# KiCad board tkl_keyboard.kicad_pcb (continued)
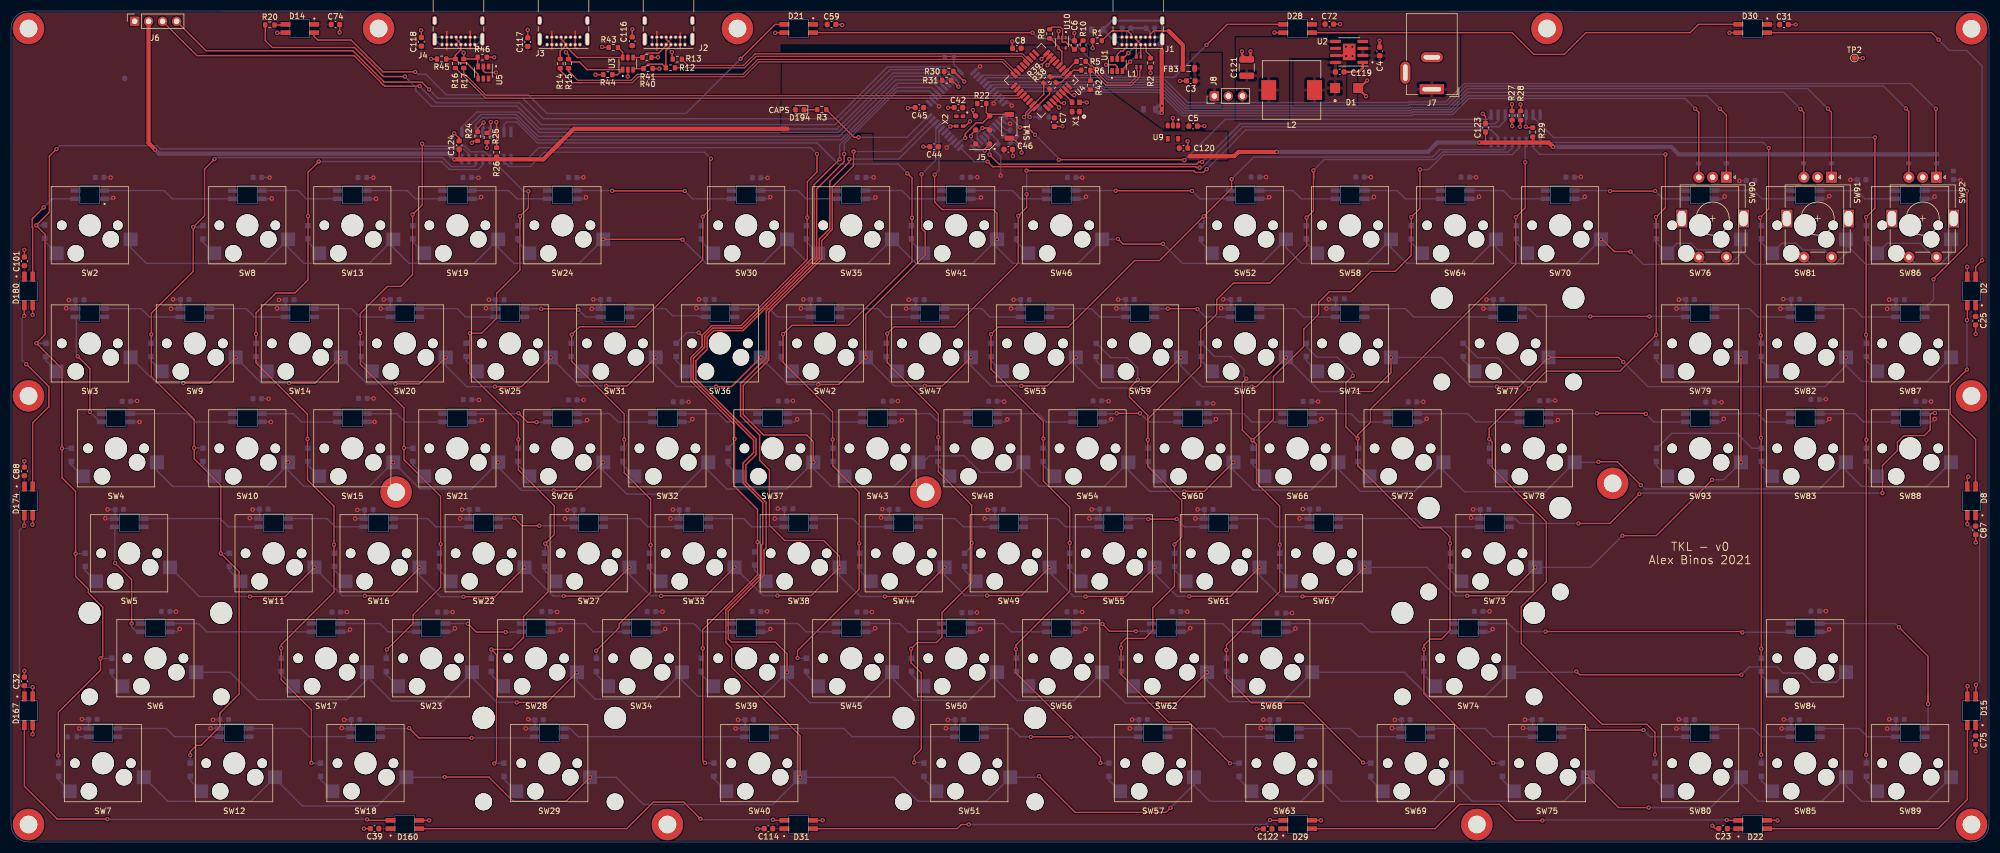
[diagram p0: board, top side]
## Routing (per net, layer and track width the routed paths; a pad name or vN(x,y) marks a point on that pad's centre or on a via; arc(x,y) is an arc through that point) (continued)
  Bottom w0.25: v1(283.92,30.96) 283.76,30.8 SW74.1 ; SW34.1 121.71,29.3 124.58,26.43 136.39,26.43 v1(140.76,30.8) 140.76,29.42 144.89,25.29 154.31,25.29 SW45.1 159.81,29.76 163.86,25.71 173.77,25.71 SW50.1 ; SW34.1 116.84,25.93 105.94,25.93 102.66,29.21 v1(102.66,30.8) ; SW34.1 122.24,31.32 ; v1(91.73,25.33) 91.69,25.37 88.1,25.37 83.61,29.86 SW23.1 78.41,25.6 69.02,25.6 64.56,30.06 SW17.1 64.56,29.49 60.89,25.83 44.72,25.83 39.75,30.8 SW6.1 ; SW68.1 230.69,25.47 220.82,25.47 216.96,29.34 v1(216.96,30.8) ; SW68.1 252.74,30.8 257.1,26.43 267.36,26.43 SW74.1 ; SW68.1 236.54,31.32 ; 272.26,31.32 SW74.1 ; 160.67,136.28 151.12,126.74 v1(151.12,124.87) ; SW50.1 179.39,31.32 ; SW50.1 178.86,29.3 182.48,25.68 192.79,25.68 SW56.1 ; 198.44,31.32 SW56.1 ; SW56.1 197.91,29.46 202.18,25.2 v1(207.91,25.2) ; SW84.1 331.02,28.97 326.67,28.97 324.99,30.65 321.46,30.65 320.33,31.78 315.3,31.78 v1(313.87,30.35)
  Bottom w0.254: U6.25 167.63,135.22 166.57,136.28 160.67,136.28
/Switches/ROW[5]: length 555
  Top w0.25: 130.71,35.14 130.71,31.71 143.14,19.28 v1(143.14,11.75) ; v1(78.64,11.78) 86.69,11.78 91.09,7.38 100.68,7.38 v1(105.04,11.75) ; v1(210.31,6.19) 209.5,5.38 193.01,5.38 v1(186.46,11.93) ; v1(297.08,6.24) 291.59,6.24 v1(285.88,11.96)
  Top w0.254: 130.71,35.14 129.65,36.2 129.65,42.09 136.14,48.59 136.14,53.91 136.35,54.11 136.35,61.61 132.78,65.18 132.78,68.76 134.69,70.67 134.69,72.93 123.77,83.85 123.77,87.75 125.81,89.79 125.81,91.79 127.28,93.26 132.6,93.26 136.85,97.51 136.86,97.51 145.67,106.32 145.67,119.3 v1(150.29,123.92)
  Bottom w0.25: SW69.1 257.84,7.38 241.26,7.38 238.39,10.25 SW63.1 ; SW69.1 262.73,12.28 ; SW69.1 262.2,10.25 265.07,7.38 281.65,7.38 SW75.1 ; v1(186.46,11.93) 186.28,11.75 SW51.1 ; v1(143.14,11.75) 138.19,6.8 114.76,6.8 109.81,11.75 v1(105.04,11.75) 105.57,12.28 ; v1(143.14,11.75) 143.67,12.28 ; v1(143.14,11.75) 160.17,11.75 164.54,7.38 176.88,7.38 SW51.1 ; SW63.1 234.03,7.38 217.44,7.38 214.58,10.25 SW57.1 ; SW63.1 238.92,12.28 ; v1(78.64,11.78) 78.61,11.75 SW18.1 66.5,6.55 52.83,6.55 47.89,11.49 SW12.1 43.53,7.38 28.44,7.38 SW7.1 ; v1(285.88,11.96) 286.02,11.82 SW75.1 ; v1(210.31,6.19) 214.58,10.46 SW57.1 ; SW51.1 181.77,12.28 ; SW80.1 313.8,10.5 316.92,7.38 328.48,7.38 SW85.1 332.85,10.2 335.66,7.38 347.53,7.38 SW89.1 352.43,12.28 ; SW80.1 314.32,12.28 ; SW80.1 308.29,6.24 v1(297.08,6.24) ; SW75.1 286.54,12.28 ; SW57.1 215.11,12.28 ; v1(150.29,123.92) 150.29,126.54 160.22,136.47 160.22,136.47 160.69,136.94
  Bottom w0.254: v1(150.29,123.92) 150.29,124.61 ; 160.69,136.94 166.99,136.94 167.67,136.27 167.74,136.27 U6.26
/uController/RGB_DOUT: length 139
  Top w0.254: R20.1 46.12,145.47 47.4,144.19 62.31,144.19 67.58,138.91 v1(71.45,138.91)
  Bottom w0.25: 73.43,136.39 73.43,136.94 v1(71.45,138.91) ; 159.98,139.56 149.82,129.41
  Bottom w0.254: 73.43,136.39 76.27,133.55 91.79,133.55 95.93,129.41 149.82,129.41 ; U6.30 168.98,139.56 159.98,139.56
/USB Downstream 0/USBD+: length 12.9
  Top w0.25: U3.3 113.02,140.36 R40.1 115.53,141.16 118.13,141.16 R12.1
  Top w0.254: J2.B6 118.84,145.72 119.69,144.87 J2.A6 119.69,144.56 118.78,143.66 R12.1
/USB Downstream 0/USBD-: length 11.7
  Top w0.25: 112.93,142.47 U3.4 114.51,142.38 R41.1 115.31,143.19 117.46,143.19 118.84,144.57 J2.A7
  Top w0.254: v1(119.86,143.35) 119.93,143.29 119.93,142.37
  Bottom w0.254: v1(119.86,143.35) 118.84,144.38 J2.A7 118.84,144.87 119.69,145.72 J2.B7
/USB Downstream 1/USBD+: length 18.4
  Top w0.25: J3.A6 100.64,144.45 102.71,142.38 U3.6 110.94,143.33 R43.1
  Top w0.254: R14.1 99.61,143.54 100.64,144.56 J3.A6 100.64,144.87 99.79,145.72 J3.B6
/USB Downstream 1/USBD-: length 17.7
  Top w0.25: v1(100.66,143.33) 101.13,142.85 R15.1 ; R44.1 110.02,139.26 U3.1 104.5,140.18 103.1,141.58
  Top w0.254: 103.1,141.58 101.63,141.58 R15.1
  Bottom w0.25: J3.A7 99.79,144.19 v1(100.66,143.33)
  Bottom w0.254: J3.A7 99.79,145.06 100.64,145.91 J3.B7
/USB Downstream 2/USBD+: length 12.4
  Top w0.25: R45.1 78.95,142.12 R16.1 81.32,141.39 82.66,141.39 84.72,139.33 U5.4
  Top w0.254: R16.1 80.59,142.79 81.59,143.78 J4.A6 81.59,144.87 80.74,145.72 J4.B6
/USB Downstream 2/USBD-: length 9.3
  Top w0.25: U5.3 84.64,140.83 R46.1 84.32,142.12 R17.1 82.12,143.21 v1(82.11,143.22)
  Bottom w0.254: v1(82.11,143.22) 80.74,144.59 J4.A7 80.74,144.87 81.59,145.72 J4.B7
/USB HUB/D1+: length 65.2
  Top w0.2: R12.2 133.06,140.51 135.14,142.59 183.32,142.59 184.19,141.72 U4.12
/USB HUB/D1-: length 64.8
  Top w0.2: U4.11 184.51,142.04 183.5,143.04 134.96,143.04 132.87,140.96 122.8,140.96 R13.2
/USB HUB/D2+: length 86.3
  Top w0.2: U4.16 181.93,139.46 179.81,141.58 135.65,141.58 132.96,138.88 113.78,138.88 112.69,137.79 103.43,137.79
  Top w0.254: R14.2 99.61,140.03 101.85,137.79 103.43,137.79
/USB HUB/D2-: length 86.2
  Top w0.2: 101.04,139.98 102.78,138.24 112.51,138.24 113.6,139.33 132.77,139.33 135.47,142.03 179.99,142.03 182.24,139.78 U4.15
  Top w0.254: 101.82,139.2 101.13,139.89 R15.2
/USB HUB/D3+: length 105.5
  Top w0.2: U4.20 183.37,135.53 182.84,135 86.06,135 R16.2
/USB HUB/D3-: length 104
  Top w0.2: R17.2 82.12,139.58 86.25,135.45 182.65,135.45 183.06,135.85 U4.19
/USB HUB/D4+: length 17.6
  Top w0.2: U4.24 185.64,133.27 184.48,132.11 184.48,131.87 v1(184.78,131.57)
  Top w0.254: U4.24 188.39,135.77 R38.1
  Bottom w0.2: v1(184.78,131.57) 184.48,131.27 184.48,126.52 184.14,126.18 182.79,126.18 182.05,126.92 R18.2
  Bottom w0.25: R7.1 186.58,131.57 v1(184.78,131.57)
/USB HUB/D4-: length 18.9
  Top w0.2: U4.23 185.32,133.59 184.03,132.3 184.03,131.87 v1(183.73,131.57)
  Top w0.254: R39.1 187.31,135.72 185.92,134.32 185.81,134.32 U4.23
  Bottom w0.2: R19.2 182.37,127.24 182.97,126.63 183.96,126.63 184.03,126.71 184.03,131.27 v1(183.73,131.57)
  Bottom w0.25: R4.1 185.35,133.19 v1(183.73,131.57)
/USB HUB/USB_DOWNSTREAM_LOCAL_OUT+: length 2.5
  Bottom w0.254: U6.4 180.11,128.43 R18.1
/USB HUB/USB_DOWNSTREAM_LOCAL_OUT-: length 3.3
  Bottom w0.2: U6.3 179.12,130.3 179.41,130.01
  Bottom w0.254: R19.1 180.47,129.2 U6.3
/USB HUB/USB_UPSTREAM_IN+: length 5.5
  Top w0.254: R38.2 190.43,137.82 U4.1 192.69,140.08 R6.1
/USB HUB/USB_UPSTREAM_IN-: length 6
  Top w0.254: R39.2 190.37,138.89 U4.2 193.16,141.67 R5.1
/USB Upstream/CD+: length 9.9
  Top w0.25: 204.96,142.65 204.91,142.7 204.91,144.71 J1.A6 204.91,144.86 204.06,145.71 J1.B6
  Top w0.254: U1.3 201.61,140.22 v1(203,141.61)
  Bottom w0.254: v1(203,141.61) 204.91,143.52 J1.A6
/USB Upstream/CD-: length 7.4
  Top w0.25: J1.A7 204.11,144.66 204.11,142.7 204.08,142.66
  Top w0.254: v1(202.68,143.19) 201.63,142.13 U1.4
  Bottom w0.25: J1.A7 204.06,144.86 204.91,145.71 J1.B7
  Bottom w0.254: J1.A7 204.06,144.57 v1(202.68,143.19)
/USB Upstream/D+: length 14.5
  Top w0.2: L1.2 204.94,140.1 204.76,139.93 204.76,138.88 203.19,137.31 198.66,137.31 195.89,140.08 R6.2
  Top w0.25: R6.2 195.77,138.19 R42.1
/USB Upstream/D-: length 13.5
  Top w0.2: R5.2 195.75,140.85 196.17,140.85 196.47,140.56 196.47,140.14 198.85,137.76 203.01,137.76 204.31,139.07 204.31,139.93 204.14,140.1 L1.1
ENC_COL[0]: length 16
  Bottom w0.25: SW90.S2 309.82,107.48 305.91,107.48 304.72,108.66 302.2,108.66 SW76.2 298.45,108.76 D106.2
ENC_COL[1]: length 16
  Bottom w0.25: SW91.S2 328.87,107.48 324.96,107.48 323.77,108.66 321.25,108.66 SW81.2 317.5,108.76 D111.2
ENC_COL[2]: length 16
  Bottom w0.25: SW92.S2 348.83,106.15 346.31,108.66 340.3,108.66 SW86.2 336.55,108.76 D116.2
ENC_ROW: length 449.4
  Top w0.25: v1(107.42,109.38) 121.73,109.38 v1(121.79,109.32) ; v1(200.79,109.44) 201.71,108.52 208.91,108.52 v1(208.96,108.57) ; v1(288.4,109.38) 288.61,109.38 290.83,107.16 v1(293.75,107.16) ; v1(167.53,121.12) 167.53,116.16 168.91,114.78 178.18,114.78 178.86,114.1 v1(178.86,109.38)
  Top w0.254: 167.55,121.13 v1(167.53,121.12) 167.51,121.12
  Bottom w0.25: v1(288.4,109.38) 284.03,105.01 272.21,105.01 269.35,107.88 SW64.1 264.98,105.01 253.16,105.01 250.3,107.88 SW58.1 245.93,105.01 234.11,105.01 231.25,107.88 SW52.1 226.88,105.01 218.1,105.01 ; v1(200.79,109.44) 200.72,109.38 SW46.1 193.54,105.01 181.73,105.01 178.86,107.88 v1(178.86,109.38) 174.49,105.01 164.19,105.01 159.83,109.38 SW35.1 155.44,105.01 144.64,105.01 140.76,108.89 SW30.1 136.39,105.01 126.09,105.01 v1(121.79,109.32) ; 218.1,105.01 212.51,105.01 v1(208.96,108.57) ; 218.1,105.01 216.54,105.01 ; SW90.S1 307.48,104.82 311.79,104.82 ; v1(107.42,109.38) 103.06,105.01 91.24,105.01 88.37,107.88 SW19.1 84.01,105.01 72.19,105.01 69.32,107.88 SW13.1 64.96,105.01 53.14,105.01 50.27,107.88 SW8.1 45.91,105.01 24.56,105.01 21.7,107.88 SW2.1 ; SW92.S1 345.58,104.82 349.89,104.82 ; 349.89,104.82 351.9,106.84 SW86.1 ; 349.89,104.82 336.47,104.82 332.85,108.45 SW81.1 332.85,106.84 330.84,104.82 ; 311.79,104.82 313.8,106.84 SW76.1 313.8,107.3 316.28,104.82 330.84,104.82 ; 311.79,104.82 296.08,104.82 v1(293.75,107.16) ; 330.84,104.82 326.53,104.82 SW91.S1
  Bottom w0.254: v1(167.53,121.12) 168.31,121.9 168.31,128.93 U6.18
MISO: length 3.8
  Top w0.254: v1(176.61,125.47) 176.61,125.77 J5.1
  Bottom w0.254: U6.11 175.15,125.47 v1(176.61,125.47)
MOSI: length 3.4
  Top w0.254: J5.4 174.13,128.37 v1(174.13,128.08)
  Bottom w0.254: U6.10 174.13,127.62 v1(174.13,128.08)
nCAPS: length 22.3
  Top w0.254: v1(153.73,127.89) 152.93,127.89 R3.1
  Bottom w0.254: U6.22 166.31,131.68 162.52,127.89 v1(153.73,127.89)
RST: length 14.7
  Top w0.25: J5.5 177.81,132.05 SW1.1
  Top w0.254: v1(173.08,127.78) 173.08,128.55 175.05,130.52 176.28,130.52 J5.5 176.91,132.38 R22.2
  Bottom w0.254: U6.13 172.82,127.78 v1(173.08,127.78)
SCK: length 4.5
  Top w0.254: v1(176.2,129.58) 177.16,129.58 J5.3
  Bottom w0.254: U6.9 175.24,127.64 175.24,128.62 v1(176.2,129.58)
UG_OUT: length 20.2
  Top w0.25: v2(5.92,115.17) 3.93,113.18 3.93,113.15 ; D180.2 3.93,111.48 3.85,111.56 3.85,113.07 3.93,113.15 ; 3.93,113.15 3.99,113.21
  Bottom w0.25: 7.5,116.72 7.71,116.72 ; 7.71,116.72 7.47,116.72 v2(5.92,115.17) ; 7.71,116.72 D3.4
Net-(C1-Pad2): length 49.2
  Top w0.254: J1.S1 208.81,143.61
  Top w0.762: v1(208.71,132.33) v1(208.76,133.6) 208.71,133.65 208.71,143.51 208.81,143.61
  Bottom w0.25: J1.B12 208.44,146.06 J1.S1 207.83,144.71 J1.A1 J1.B12 ; J1.B12 207.45,146.07 C2.2 ; J1.B1 200.53,146.06 J1.S1 201.14,144.71 J1.A12 J1.B1 ; J1.B1 201.51,147.65 C1.2
  Bottom w0.254: J1.A1 208.28,144.71 208.65,144.34 208.65,145.53 J1.S1
  Bottom w0.406: J1.S1 199.86,145.69 FB1.2 199.72,149.07 J1.S1 J1.S1 J1.S1
  Bottom w0.762: v1(208.76,133.6) 208.15,133.6 FB2.2 208.2,132.33 v1(208.71,132.33)
Net-(C6-Pad2): length 10.1
  Top w0.25: R8.1 188.79,147.89 190.37,147.89 190.74,147.51 190.74,146.1 U10.2 190.65,145.19 191.33,145.19 191.72,144.8 191.95,144.8 C6.2 194.45,145.42 R10.1
Net-(C43-Pad1): length 2.8
  Bottom w0.254: U6.6 178.98,127.3 C43.1
Net-(C119-Pad1): length 4.7
  Top w0.406: C119.1 244.44,139.75 245.2,140.51 U2.1
Net-(D2-Pad2): length 36.1
  Top w0.254: D2.2 354.85,94.78 v1(354.77,94.71) ; D8.4 356.35,73.08 351.75,77.68 351.75,82.72 v1(354.78,85.74)
  Bottom w0.254: v1(354.78,85.74) 354.77,85.74 v1(354.77,94.71)
Net-(D2-Pad4): length 80.2
  Top w0.254: v1(349.63,145.61) 348.36,146.89 D30.2 ; D2.4 356.36,102.62 356.36,104.39 v1(357.53,105.56)
  Bottom w0.254: v1(349.63,145.61) 351.59,143.66 354.71,143.66 357.53,140.84 v1(357.53,105.56)
Net-(D3-Pad2): length 24
  Bottom w0.25: D9.4 29.27,116.72 27.77,118.22 D3.2
Net-(D4-Pad4): length 21.3
  Top w0.25: v2(12.09,88.13) 14.3,85.92 v2(14.3,78.07)
  Bottom w0.25: D7.2 11.84,95.29 11.84,88.39 v2(12.09,88.13) ; D4.4 16.13,76.24 v2(14.3,78.07)
Net-(D10-Pad2): length 21.5
  Top w0.25: v2(18.87,50.62) 21.87,47.62 v2(21.87,39.64)
  Bottom w0.25: D5.4 22.79,38.14 21.87,39.07 v2(21.87,39.64) ; D10.2 18.83,50.66 v2(18.87,50.62)
Net-(D10-Pad4): length 21.6
  Bottom w0.25: D10.4 37.95,58.69 39.45,57.19 D20.2
Net-(D11-Pad2): length 2.1
  Bottom w0.25: R21.2 11.96,19.09 D11.2
Net-(D11-Pad4): length 19.2
  Bottom w0.25: D17.2 29.67,19.09 28.17,20.59 D11.4
Net-(D12-Pad2): length 24
  Bottom w0.25: D6.4 252.91,96.79 254.41,95.29 D12.2
Net-(D12-Pad4): length 30.3
  Top w0.254: v1(286.46,95.38) v1(297.18,95.38)
  Bottom w0.254: v1(286.46,95.38) 276.75,95.38 275.34,96.79 D12.4 ; v1(297.18,95.38) 303.7,95.38 D183.2
Net-(D13-Pad2): length 14.5
  Bottom w0.25: D13.2 51.18,77.74 52.68,76.24 D24.4
Net-(D13-Pad4): length 19.2
  Bottom w0.25: D4.2 31.95,77.74 33.45,76.24 D13.4
Net-(D14-Pad2): length 98.4
  Top w0.254: v1(132.33,142.13) 138.59,148.39 140.27,148.39 ; D14.2 54.99,146.22 55.68,145.54 61.7,145.54 67.46,139.77 v1(73.33,139.77)
  Bottom w0.254: v1(132.33,142.13) 122.43,132.23 97.18,132.23 93.8,135.6 78.97,135.6 75.23,139.34 73.76,139.34 v1(73.33,139.77)
Net-(D14-Pad4): length 2
  Top w0.25: 49.8,148.31 49.79,148.3 R20.2
Net-(D15-Pad2): length 52
  Top w0.254: D15.2 354.85,7.71 349.56,2.43 D22.4
Net-(D15-Pad4): length 34.1
  Top w0.25: D15.4 356.41,26.48 v2(356.41,28.51) ; D8.2 354.85,57.68 v2(354.85,57.68)
  Bottom w0.25: v2(356.41,28.51) 357.09,29.19 357.09,55.44 v2(354.85,57.68)
Net-(D16-Pad2): length 14.5
  Bottom w0.25: D23.4 73.35,116.72 71.85,118.22 D16.2
Net-(D16-Pad4): length 14.5
  Bottom w0.25: D16.4 53.58,116.72 52.08,118.22 D9.2
Net-(D18-Pad2): length 14.5
  Bottom w0.25: D7.4 23.6,96.79 25.1,95.29 D18.2
Net-(D18-Pad4): length 14.5
  Bottom w0.25: D18.4 42.67,96.79 44.17,95.29 D27.2
Net-(D19-Pad4): length 14.5
  Bottom w0.25: D19.4 334.29,96.79 335.79,95.29 D26.2
Net-(D21-Pad2): length 92.6
  Top w0.25: v1(185.29,146.88) 185.28,146.89 183.11,146.89
  Top w0.254: v1(216.84,144.65) 220.58,148.39 D28.4 ; D21.2 183.11,146.89
  Bottom w0.25: v1(185.29,146.88) 186.37,145.8 192.07,145.8
  Bottom w0.254: v1(216.84,144.65) 210.97,138.78 199.09,138.78 192.07,145.8
Net-(D22-Pad2): length 80.5
  Top w0.254: D29.4 258.32,2.43 262.72,6.83 269.99,6.83 272.93,3.89 v1(277.77,3.89) ; D22.2 311.26,3.93 v1(311.2,3.99)
  Bottom w0.254: v1(277.77,3.89) 277.88,3.99 v1(311.2,3.99)
Net-(D25-Pad4): length 26.4
  Bottom w0.25: D5.2 34.03,39.64 35.53,38.14 D25.4
Net-(D28-Pad2): length 81.2
  Top w0.254: D30.4 306.08,148.39 304.58,146.89 285.67,146.89 281.72,142.94 276.22,142.94 272.28,146.89 D28.2
Net-(D29-Pad2): length 85.9
  Top w0.254: D29.2 228.39,3.93 v1(228.35,3.97) ; D31.4 171.64,2.43 172.39,3.17 v1(173.74,3.17)
  Bottom w0.254: v1(173.74,3.17) 227.56,3.17 v1(228.35,3.97)
Net-(D32-Pad2): length 3.6
  Bottom w0.25: SW2.2 6.1,109.02 D32.2
Net-(D33-Pad2): length 3.5
  Bottom w0.25: D33.2 6.35,87.33 SW3.2
Net-(D34-Pad2): length 3.6
  Bottom w0.25: D34.2 10.92,68.47 SW4.2
Net-(D35-Pad2): length 3.5
  Bottom w0.25: SW5.2 13.46,49.26 D35.2
Net-(D36-Pad2): length 3.5
  Bottom w0.25: D36.2 18.29,30.15 SW6.2
Net-(D37-Pad2): length 3.6
  Bottom w0.25: D37.2 8.64,11.23 SW7.2 10.65,9.2 10.67,9.19
Net-(D38-Pad2): length 3.5
  Bottom w0.25: D38.2 34.8,108.89 SW8.2
Net-(D39-Pad2): length 3.5
  Bottom w0.25: SW9.2 25.4,87.33 D39.2
Net-(D40-Pad2): length 3.5
  Bottom w0.25: D40.2 34.8,68.41 SW10.2
Net-(D41-Pad2): length 3.5
  Bottom w0.25: D41.2 39.62,49.29 SW11.2
Net-(D42-Pad2): length 3.6
  Bottom w0.25: 34.42,9.09 34.47,9.14 SW12.2 32.51,11.16 D42.2
Net-(D43-Pad2): length 3.5
  Bottom w0.25: D43.2 53.85,108.89 SW13.2
Net-(D44-Pad2): length 3.5
  Bottom w0.25: 44.45,88.09 D44.2 44.45,87.33 SW14.2
Net-(D45-Pad2): length 3.5
  Bottom w0.25: D45.2 53.85,68.41 SW15.2
Net-(D46-Pad2): length 3.5
  Bottom w0.25: SW16.2 58.67,49.29 D46.2
Net-(D47-Pad2): length 3.6
  Bottom w0.25: D47.2 49.02,30.37 SW17.2
Net-(D48-Pad2): length 3.8
  Bottom w0.25: 58.22,9.06 58.28,9.12 SW18.2 56.13,11.35 D48.2
Net-(D49-Pad2): length 3.5
  Bottom w0.25: D49.2 72.9,108.89 SW19.2
Net-(D50-Pad2): length 3.5
  Bottom w0.25: D50.2 63.5,87.33 SW20.2
Net-(D51-Pad2): length 3.5
  Bottom w0.25: SW21.2 72.9,68.41 D51.2
Net-(D52-Pad2): length 3.5
  Bottom w0.25: D52.2 77.72,49.29 SW22.2
Net-(D53-Pad2): length 3.6
  Bottom w0.25: 70.23,28.21 SW23.2 68.07,30.37 D53.2
Net-(D54-Pad2): length 3.5
  Bottom w0.25: D54.2 91.95,108.89 SW24.2
Net-(D55-Pad2): length 3.5
  Bottom w0.25: SW25.2 82.55,87.33 D55.2
Net-(D56-Pad2): length 3.5
  Bottom w0.25: SW26.2 91.95,68.41 D56.2
Net-(D57-Pad2): length 3.5
  Bottom w0.25: SW27.2 96.77,49.29 D57.2
Net-(D58-Pad2): length 3.6
  Bottom w0.25: SW28.2 87.12,30.37 D58.2
Net-(D59-Pad2): length 3.8
  Bottom w0.25: D59.2 89.41,11.42 SW29.2 91.62,9.06 91.64,9.04
Net-(D60-Pad2): length 3.5
  Bottom w0.25: 127.33,106.84 125.22,108.95 D60.2
Net-(D61-Pad2): length 3.5
  Bottom w0.25: D61.2 101.6,87.33 SW31.2
Net-(D62-Pad2): length 3.5
  Bottom w0.25: SW32.2 111,68.41 D62.2
Net-(D63-Pad2): length 3.5
  Bottom w0.25: SW33.2 115.82,49.29 D63.2
Net-(D64-Pad2): length 3.8
  Bottom w0.25: D64.2 106.17,30.37 SW34.2 108.28,28.37 108.33,28.42
Net-(D65-Pad2): length 3
  Bottom w0.25: D65.2 144.27,108.95 146.07,107.16
Net-(D66-Pad2): length 3.5
  Bottom w0.25: SW36.2 120.65,87.33 D66.2
Net-(D67-Pad2): length 3.5
  Bottom w0.25: D67.2 130.05,68.41 SW37.2
Net-(D68-Pad2): length 3.8
  Bottom w0.25: SW38.2 134.87,49.29 D68.2
Net-(D69-Pad2): length 3.6
  Bottom w0.25: D69.2 125.22,30.37 127.33,28.26
Net-(D70-Pad2): length 3.9
  Bottom w0.25: D70.2 127.51,11.42 SW40.2 129.71,9.21 129.54,9.04
Net-(D71-Pad2): length 3.5
  Bottom w0.25: D71.2 163.32,108.95 SW41.2
Net-(D72-Pad2): length 3.5
  Bottom w0.25: SW42.2 139.7,87.33 D72.2
Net-(D73-Pad2): length 3.5
  Bottom w0.25: D73.2 149.1,68.41 SW43.2
Net-(D74-Pad2): length 3.5
  Bottom w0.25: D74.2 153.92,49.29 SW44.2
Net-(D75-Pad2): length 3.8
  Bottom w0.25: 146.48,28.44 146.38,28.34 SW45.2 144.27,30.37 D75.2
Net-(D76-Pad2): length 3.5
  Bottom w0.25: SW46.2 182.37,108.95 D76.2
Net-(D77-Pad2): length 3.5
  Bottom w0.25: D77.2 158.75,87.33 SW47.2
Net-(D78-Pad2): length 3.5
  Bottom w0.25: SW48.2 168.15,68.41 D78.2
Net-(D79-Pad2): length 3.5
  Bottom w0.25: D79.2 172.97,49.29 SW49.2
Net-(D80-Pad2): length 3.6
  Bottom w0.25: SW50.2 163.32,30.37 D80.2
Net-(D81-Pad2): length 3.9
  Bottom w0.25: 168.02,9.11 167.93,9.21 SW51.2 165.61,11.42 D81.2
Net-(D82-Pad2): length 3.4
  Bottom w0.25: SW52.2 215.9,108.76 D82.2
Net-(D83-Pad2): length 3.5
  Bottom w0.25: D83.2 177.8,87.33 SW53.2
Net-(D84-Pad2): length 3.5
  Bottom w0.25: SW54.2 187.2,68.41 D84.2
Net-(D85-Pad2): length 3.5
  Bottom w0.25: D85.2 192.02,49.29 SW55.2
Net-(D86-Pad2): length 3.6
  Bottom w0.25: SW56.2 182.37,30.37 D86.2
Net-(D87-Pad2): length 3.7
  Bottom w0.25: D87.2 199.14,11.23 SW57.2 201.15,9.18 201.24,9.09
Net-(D88-Pad2): length 3.4
  Bottom w0.25: D88.2 234.95,108.76 SW58.2
Net-(D89-Pad2): length 3.5
  Bottom w0.25: D89.2 196.85,87.33 SW59.2
Net-(D90-Pad2): length 3.5
  Bottom w0.25: D90.2 206.25,68.41 SW60.2
Net-(D91-Pad2): length 3.5
  Bottom w0.25: SW61.2 211.07,49.29 D91.2
Net-(D92-Pad2): length 3.6
  Bottom w0.25: SW62.2 201.42,30.37 D92.2
Net-(D93-Pad2): length 3.6
  Bottom w0.25: D93.2 222.76,11.42 SW63.2 224.95,9.21 224.94,9.21
Net-(D94-Pad2): length 3.4
  Bottom w0.25: SW64.2 254,108.76 D94.2
Net-(D95-Pad2): length 3.5
  Bottom w0.25: SW65.2 215.9,87.33 D95.2
Net-(D96-Pad2): length 3.5
  Bottom w0.25: SW66.2 225.3,68.41 D96.2
Net-(D97-Pad2): length 3.5
  Bottom w0.25: D97.2 230.12,49.29 SW67.2
Net-(D98-Pad2): length 3.6
  Bottom w0.25: D98.2 220.47,30.37 SW68.2
Net-(D99-Pad2): length 3.7
  Bottom w0.25: 248.71,9.21 SW69.2 246.63,11.35 D99.2
Net-(D100-Pad2): length 3.4
  Bottom w0.25: SW70.2 273.05,108.76 D100.2
Net-(D101-Pad2): length 3.5
  Bottom w0.25: D101.2 234.95,87.33 SW71.2
Net-(D102-Pad2): length 3.5
  Bottom w0.25: SW72.2 244.35,68.41 D102.2
Net-(D103-Pad2): length 3.5
  Bottom w0.25: SW73.2 261.11,49.26 D103.2
Net-(D104-Pad2): length 3.5
  Bottom w0.25: D104.2 256.29,30.28 SW74.2
Net-(D105-Pad2): length 3.7
  Bottom w0.25: 272.57,9.06 272.59,9.09 SW75.2 270.51,11.29 D105.2
Net-(D107-Pad2): length 3.5
  Bottom w0.25: SW77.2 263.4,87.46 D107.2
Net-(D108-Pad2): length 3.5
  Bottom w0.25: SW78.2 268.22,68.34 D108.2
Net-(D109-Pad2): length 3.5
  Bottom w0.25: SW79.2 298.45,87.33 D109.2
Net-(D110-Pad2): length 3.7
  Bottom w0.25: D110.2 298.2,11.38 SW80.2 300.49,9.21
Net-(D112-Pad2): length 3.5
  Bottom w0.25: D112.2 317.5,87.33 SW82.2
Net-(D113-Pad2): length 3
  Bottom w0.25: 319.1,66.68 317.5,68.28 D113.2
Net-(D114-Pad2): length 3.5
  Bottom w0.25: D114.2 317.5,30.18 SW84.2
Net-(D115-Pad2): length 4
  Bottom w0.25: SW85.2 319.06,9.21 319.02,9.24 ; SW85.2 319.42,9.31 ; SW85.2 317.5,11.13 D115.2
Net-(D117-Pad2): length 3.5
  Bottom w0.25: D117.2 336.55,87.33 SW87.2
Net-(D118-Pad2): length 3.5
  Bottom w0.25: D118.2 336.55,68.28 SW88.2
Net-(D119-Pad2): length 3.6
  Bottom w0.25: 338.4,9.16 338.45,9.21 SW89.2 336.55,11.13 D119.2
Net-(D120-Pad2): length 14.5
  Bottom w0.25: 50.23,58.69 57.3,58.69 58.8,57.19 D120.2
Net-(D120-Pad4): length 14.5
  Bottom w0.25: D120.4 75.58,58.69 77.08,57.19 D125.2
Net-(D121-Pad2): length 19.2
  Bottom w0.25: D17.4 52.6,20.59 54.1,19.09 D121.2
Net-(D121-Pad4): length 29
  Top w0.254: v1(72.21,20.66) 73.97,18.9 v1(83.55,18.9)
  Bottom w0.254: v1(72.21,20.66) 72.15,20.59 D121.4 ; D131.2 94.83,18.9 v1(83.55,18.9)
Net-(D122-Pad2): length 14.6
  Top w0.254: v1(92.05,77.82) 93.68,76.19 v1(95.34,76.19)
  Bottom w0.254: v1(92.05,77.82) 91.97,77.74 D122.2 ; v1(95.34,76.19) 97.36,76.19 D127.4
Net-(D122-Pad4): length 14.5
  Bottom w0.25: D24.2 69.98,77.74 71.48,76.24 D122.4
Net-(D123-Pad2): length 14.5
  Top w0.254: v1(82.88,39.6) 84.39,38.09 v1(89.71,38.09)
  Bottom w0.254: v1(89.71,38.09) 92.59,38.09 D128.4 ; D123.2 82.84,39.64 v1(82.88,39.6)
Net-(D123-Pad4): length 14.5
  Bottom w0.25: D123.4 68.4,38.14 66.9,39.64 D25.2
Net-(D124-Pad2): length 14.5
  Bottom w0.25: D124.2 63.25,95.29 61.75,96.79 D27.4
Net-(D124-Pad4): length 14.5
  Bottom w0.25: D124.4 80.92,96.79 82.42,95.29 D129.2
Net-(D125-Pad4): length 14.6
  Top w0.254: v1(95.83,57.41) 92.68,57.41 v1(91.28,58.8)
  Bottom w0.254: v1(95.83,57.41) 101.96,57.41 102.17,57.19 ; v1(91.28,58.8) 91.17,58.69 D125.4
Net-(D126-Pad2): length 28.8
  Top w0.254: v1(109.04,118.18) 122.19,118.18 v1(122.21,118.15)
  Bottom w0.254: v1(109.04,118.18) 109,118.22 D126.2 ; D132.4 123.64,116.72 v1(122.21,118.15)
Net-(D126-Pad4): length 14.5
  Bottom w0.25: D126.4 91.78,116.72 90.28,118.22 D23.2
Net-(D127-Pad2): length 14.5
  Bottom w0.25: D127.2 108.58,77.74 110.08,76.24 D133.4
Net-(D128-Pad2): length 14.5
  Bottom w0.25: D134.4 105.64,38.14 104.14,39.64 D128.2
Net-(D129-Pad4): length 14.5
  Top w0.254: v1(96.15,96.77) 102.74,96.77 v1(102.9,96.62)
  Bottom w0.254: v1(102.9,96.62) 104.22,95.29 D135.2 ; D129.4 96.13,96.79 v1(96.15,96.77)
Net-(D130-Pad4): length 14.5
  Bottom w0.25: D136.2 115.49,57.19 113.99,58.69 D130.4
Net-(D131-Pad4): length 33.5
  Bottom w0.25: D142.2 102.88,19.09 101.38,20.59 D131.4
Net-(D132-Pad2): length 14.5
  Bottom w0.25: D132.2 142.75,118.22 144.25,116.72 D137.4
Net-(D133-Pad2): length 14.5
  Bottom w0.25: D133.2 128.29,77.74 129.79,76.24 D138.4
Net-(D134-Pad2): length 14.5
  Bottom w0.25: D139.4 125.35,38.14 123.85,39.64 D134.2
Net-(D135-Pad4): length 14.5
  Bottom w0.25: D135.4 118.72,96.79 120.02,95.5 124.63,95.5 124.84,95.29 D140.2
Net-(D136-Pad4): length 14.5
  Bottom w0.25: D136.4 132.85,58.69 134.35,57.19 140.27,57.19
Net-(D137-Pad2): length 14.5
  Bottom w0.25: D143.4 163.11,116.72 161.61,118.22 D137.2
Net-(D138-Pad2): length 14.5
  Bottom w0.25: D138.2 147.29,77.74 148.79,76.24 D144.4
Net-(D139-Pad2): length 14.5
  Bottom w0.25: D139.2 142.72,39.64 144.22,38.14 D145.4
Net-(D140-Pad4): length 14.5
  Bottom w0.25: D140.4 137.51,96.79 139.01,95.29 D146.2
Net-(D141-Pad4): length 14.5
  Bottom w0.25: D147.2 154.15,57.19 152.65,58.69 D141.4
Net-(D142-Pad4): length 33.5
  Bottom w0.25: D142.4 151.08,20.59 152.58,19.09 D153.2
Net-(D143-Pad2): length 14.5
  Bottom w0.25: D148.4 183.14,116.72 181.64,118.22 D143.2
Net-(D144-Pad2): length 14.5
  Bottom w0.25: D149.4 168.2,76.24 166.7,77.74 D144.2
Net-(D145-Pad2): length 14.5
  Bottom w0.25: D145.2 161.19,39.64 162.69,38.14 D150.4
Net-(D146-Pad4): length 14.5
  Bottom w0.25: D146.4 157.2,96.79 158.7,95.29 D151.2
Net-(D147-Pad4): length 14.5
  Bottom w0.25: D147.4 171.22,58.69 172.72,57.19 D152.2
Net-(D148-Pad2): length 28.8
  Top w0.254: v1(200.37,118.2) 214.17,118.2 v1(214.23,118.14)
  Bottom w0.254: D148.2 200.35,118.22 v1(200.37,118.2) ; D154.4 215.65,116.72 v1(214.23,118.14)
Net-(D149-Pad2): length 14.5
  Bottom w0.25: D155.4 187.78,76.24 186.28,77.74 D149.2
Net-(D150-Pad2): length 14.5
  Bottom w0.25: D150.2 179.96,39.64 181.46,38.14 D156.4
Net-(D151-Pad4): length 14.5
  Bottom w0.25: D157.2 177.55,95.29 176.05,96.79 D151.4
Net-(D152-Pad4): length 14.5
  Bottom w0.25: D152.4 189.79,58.69 191.29,57.19 D158.2
Net-(D153-Pad4): length 28.8
  Top w0.254: v1(192.3,19.02) 192.23,19.09 v1(184.97,19.09)
  Bottom w0.254: D159.2 204.5,19.02 v1(192.3,19.02) ; v1(184.97,19.09) 183.04,19.09 181.54,20.59 D153.4
Net-(D154-Pad2): length 14.5
  Bottom w0.25: D154.2 232.53,118.22 234.03,116.72 D161.4
Net-(D155-Pad2): length 14.5
  Top w0.254: v1(200.53,77.79) v1(204.78,77.79)
  Bottom w0.254: v1(200.53,77.79) 200.48,77.74 D155.2 ; D162.4 206.34,76.24 v1(204.78,77.79)
